# Allegro board LAY-29615_B4.brd (continued)
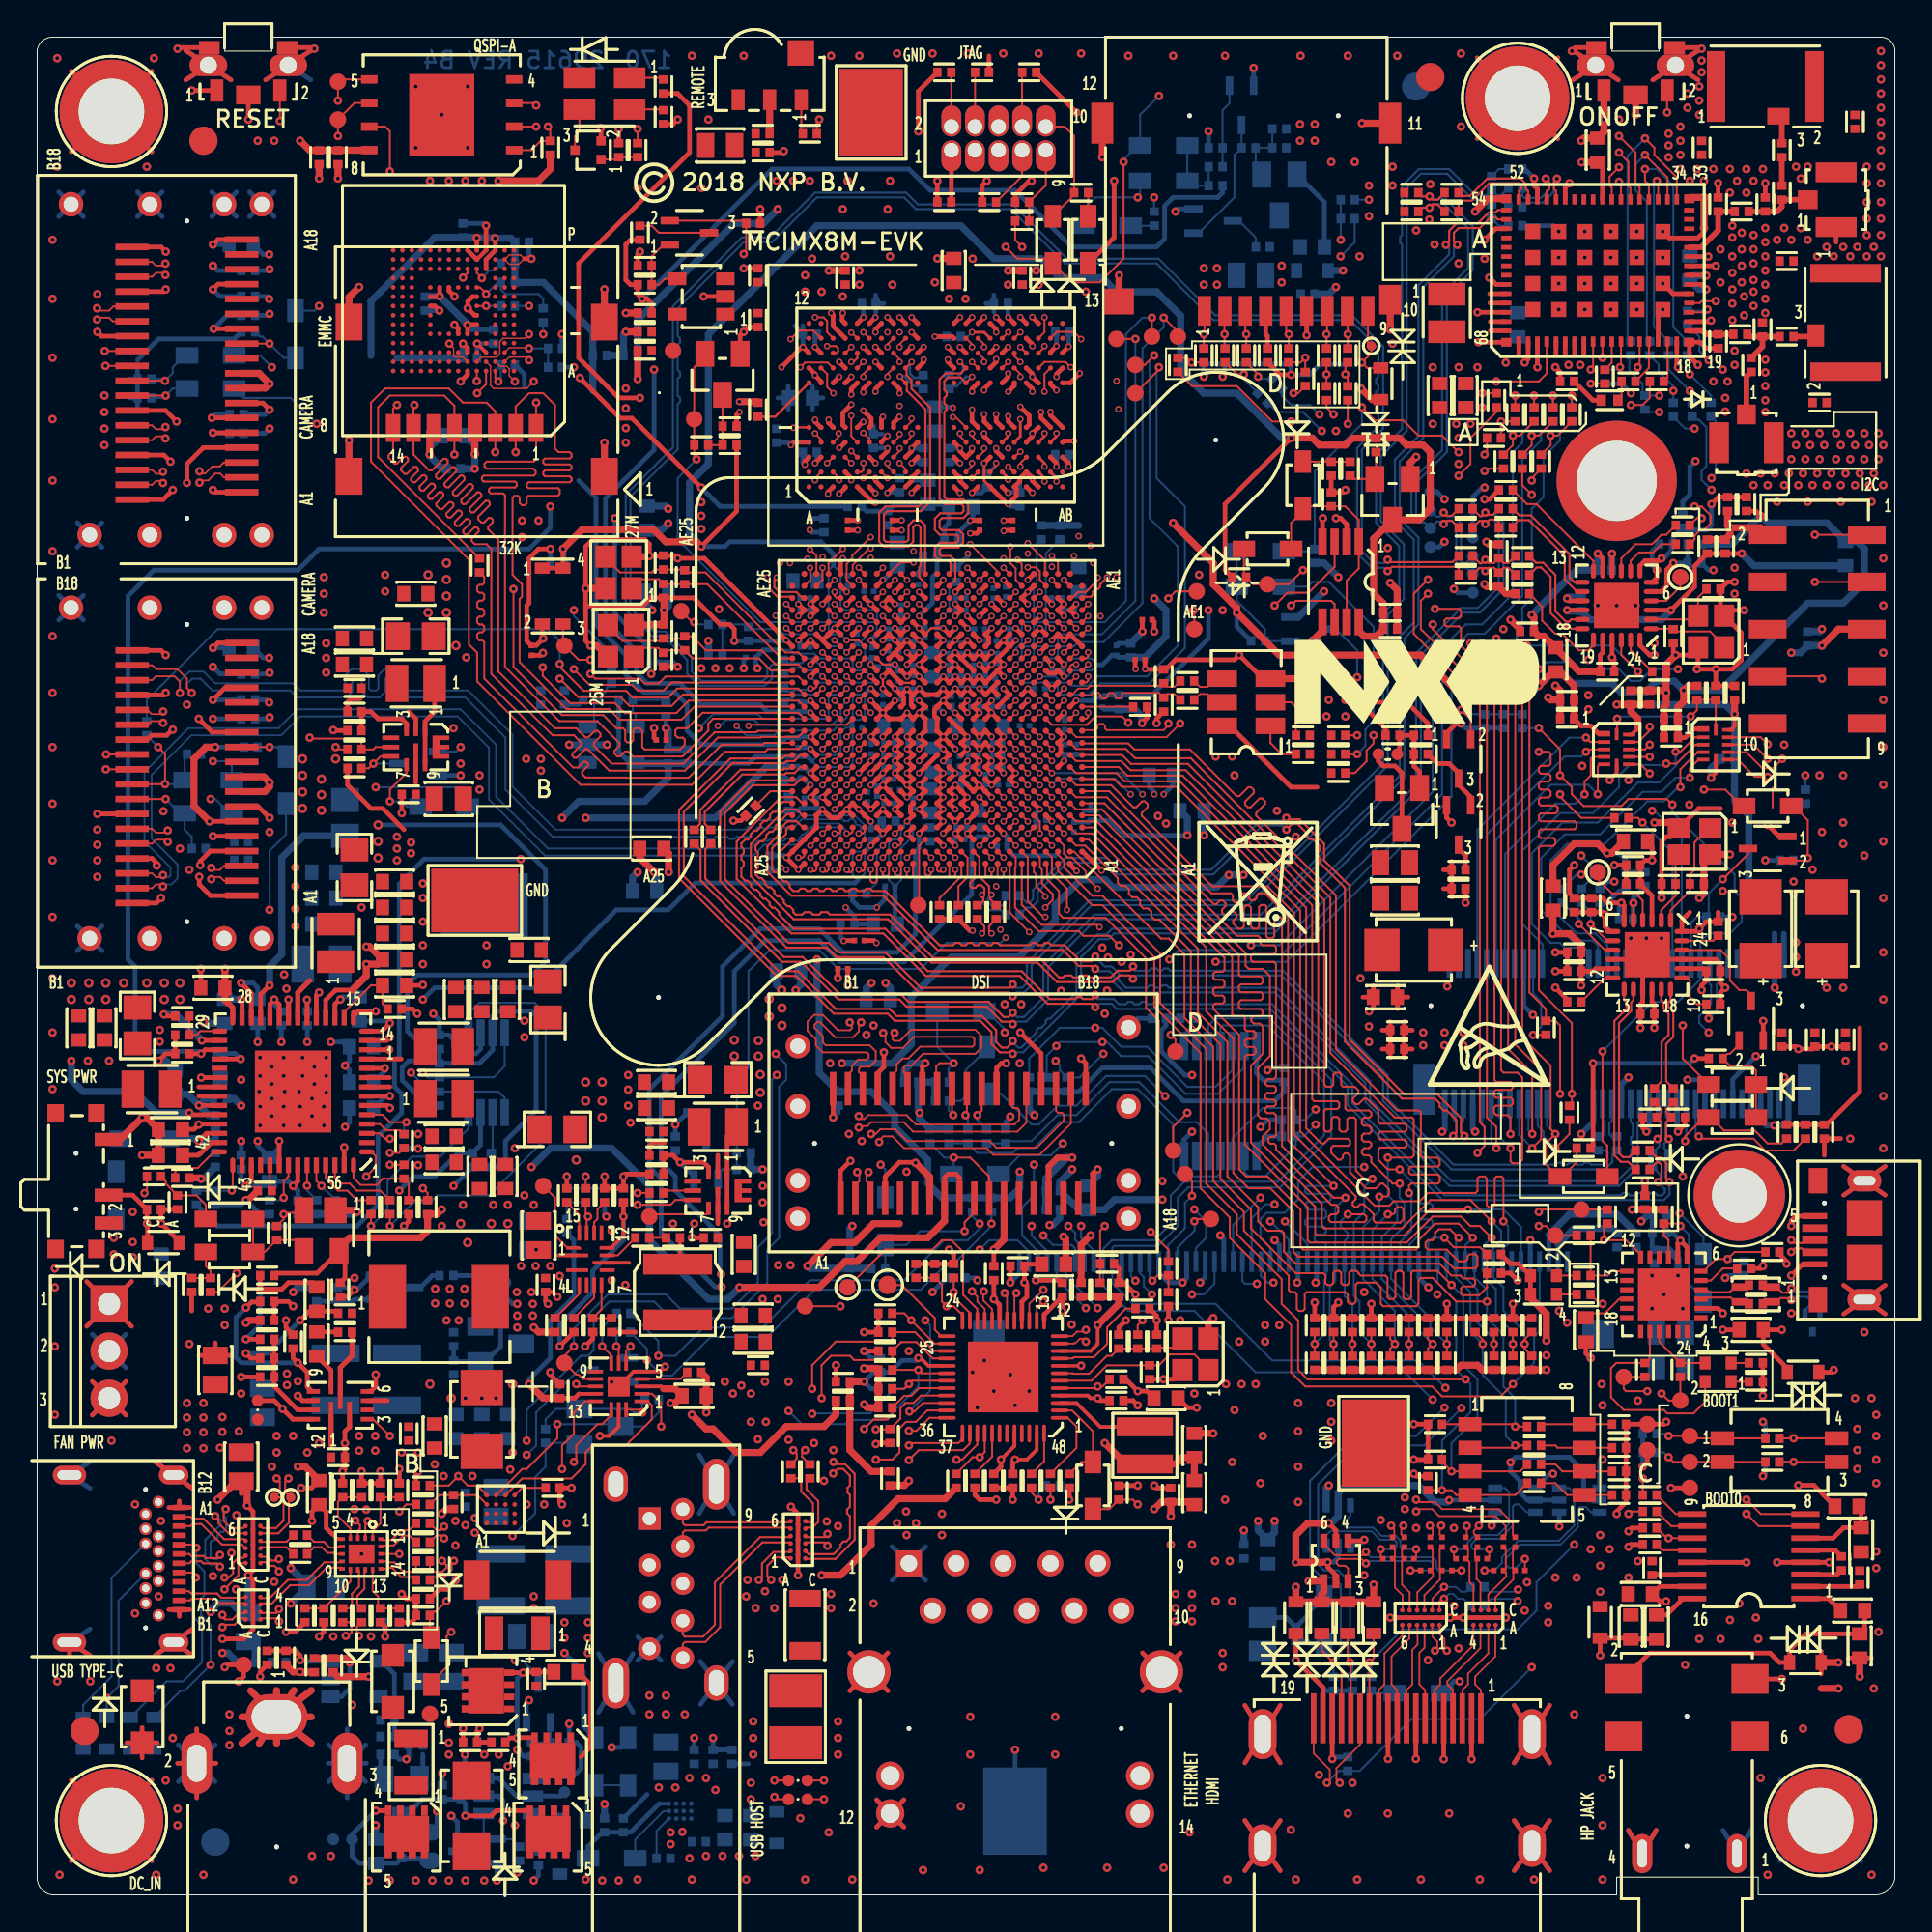
[diagram p0: board, top side]
## Routing (per net, layer and track width the routed paths; a pad name or vN(x,y) marks a point on that pad's centre or on a via; arc(x,y) is an arc through that point) (continued)
ENET_TD1: length 73
  TOP w0.107: U1201.37 49.81,24.53 49.59,24.32 47.05,24.32 v1(46.93,24.19) ; U101.R21 v2(43.57,64.93)
  L6_INT_2 w0.076: v1(46.93,24.19) 46.16,24.19 46.04,24.32 46.04,24.7 46.16,24.82 46.29,24.82 46.42,24.95 46.42,25.2 46.29,25.33 46.16,25.33 46.04,25.46 46.04,25.71 46.16,25.84 46.29,25.84 46.42,25.97 46.42,26.22 46.29,26.35 46.16,26.35 46.04,26.47 46.04,26.99 45.86,27.16 43.7,27.16 43.5,27.36 43.5,27.54 44.02,28.06 44.02,28.24 43.84,28.42 43.66,28.42 43.14,27.9 42.96,27.9 41.59,29.27 38.13,29.27 32.07,35.33 32.07,36.64 31.43,37.27 31.43,37.45 31.63,37.66 31.63,37.84 31.45,38.01 31.27,38.01 31.07,37.81 30.89,37.81 30.67,38.04 30.29,38.04 30.03,38.29 30.03,39.31 29.27,40.07 28.64,40.07 25.97,42.73 25.97,45.02 26.1,45.15 27.11,45.15 27.24,45.27 27.24,54.42 v1(35.62,62.8)
  BOTTOM w0.102: v2(43.57,64.93) U101.R21 42.76,64.61 42.6,64.45 42.6,63.43 42.48,63.31 39.05,63.31 38.8,63.56
  BOTTOM w0.107: 38.8,63.56 36.38,63.56 v1(35.62,62.8)
ENET_TD2: length 72
  TOP w0.107: U1201.38 50.21,24.3 49.85,23.94 47.46,23.94 v1(46.93,23.41) ; U101.R19 v2(44.23,64.28)
  L6_INT_2 w0.076: v1(46.93,23.41) 47.81,24.29 47.81,26.48 47.43,26.86 46.67,26.86 44.72,28.82 43.45,28.82 42.61,29.65 38.28,29.65 32.45,35.49 32.45,36.64 32.83,37.02 32.83,38.54 31.81,39.56 30.29,39.56 29.4,40.45 28.89,40.45 26.35,42.99 26.35,44.64 26.48,44.77 27.49,44.77 27.62,44.89 27.62,54.16 36.13,62.67 36.13,63.05 36.4,63.32 37.03,63.32 37.4,63.69 40.96,63.69 41.23,63.96 43.9,63.96 v2(44.23,64.28)
ENET_TD3: length 74.2
  TOP w0.107: U101.P20 v2(43.58,63.63) ; U1201.39 50.61,24.24 49.8,23.43 v1(49.49,23.43)
  L6_INT_2 w0.076: v1(49.49,23.43) 49.49,28.1 47.48,30.11 46.72,30.11 45.66,31.18 44,31.18 43.62,30.8 38.67,30.8 37.38,32.09 37.38,33.46 36.74,34.1 35.37,34.1 33.72,35.75 33.72,36.26 34.13,36.67 34.13,37.65 34.2,37.72 34.66,37.72 34.73,37.8 34.73,38.03 34.66,38.1 34.2,38.1 34.13,38.18 34.13,38.41 34.2,38.48 34.66,38.48 34.73,38.56 34.73,38.79 34.66,38.87 34.2,38.87 34.13,38.94 34.13,39.99 34.05,40.07 33.77,40.07 33.69,39.99 33.69,39.81 33.57,39.69 33.31,39.69 33.18,39.81 33.18,40.58 33.06,40.7 30.8,40.7 28.76,42.73 28.76,44.21 28.89,44.34 29.78,44.34 29.91,44.46 29.91,44.72 29.78,44.84 28.89,44.84 28.76,44.97 28.76,45.22 28.89,45.35 29.02,45.35 29.15,45.48 29.15,45.73 29.02,45.86 28.89,45.86 28.76,45.99 28.76,53.66 37.65,62.55 v2(37.65,62.93)
  BOTTOM w0.102: v2(43.58,63.63) 43.58,63.39 42.86,62.67 39.94,62.67
  BOTTOM w0.107: 39.94,62.67 39.69,62.42 38.16,62.42 v2(37.65,62.93)
ENET_TX_CTL: length 74
  TOP w0.107: v1(46.95,26.02) 47.23,26.02 47.68,26.48 U1201.34 ; U101.P19 v2(44.88,63.63)
  L6_INT_2 w0.076: v1(47.81,30.92) 46.54,32.19 42.86,32.19 42.23,31.56 38.92,31.56 38.59,31.89 38.59,33.13 35.88,35.85 35.88,37.72 35.8,37.8 35.57,37.8 35.5,37.88 35.5,38.03 35.57,38.1 35.8,38.1 35.88,38.18 35.88,38.33 35.8,38.41 35.57,38.41 35.5,38.48 35.5,38.64 35.57,38.71 35.8,38.71 35.88,38.79 35.88,39.31 33.16,42.02 31.64,42.02 31.3,42.35 31.3,44.77 29.53,46.54 29.53,51.34 29.65,51.47 30.16,51.47 30.29,51.6 30.29,51.85 30.16,51.98 29.65,51.98 29.53,52.11 29.53,52.36 29.65,52.49 30.8,52.49 30.92,52.61 30.92,52.87 30.8,53 29.65,53 29.53,53.12 29.53,53.4 30.44,54.32 30.62,54.32 31.78,53.17 31.96,53.17 32.14,53.34 32.14,53.52 31.94,53.72 31.94,53.9 32.23,54.2 32.23,54.38 32.06,54.56 31.88,54.56 31.58,54.26 31.4,54.26 30.98,54.68 30.98,54.86 31.16,55.04 31.34,55.04 31.48,54.9 31.66,54.9 31.84,55.08 31.84,55.26 31.7,55.4 31.7,55.58 39.05,62.93 40.7,62.93 40.86,63.09 44.33,63.09 v2(44.88,63.63)
  BOTTOM w0.107: v1(46.95,26.02) 48.07,27.14 48.07,30.67 v1(47.81,30.92)
ENET_TXC: length 71.5
  TOP w0.107: U101.T19 v2(44.23,64.93) ; v1(45.15,23.43) 46.04,23.43 46.42,23.81 46.42,25.11 46.77,25.46 47.31,25.46 47.92,26.08 U1201.35
  L6_INT_2 w0.076: v1(45.15,23.43) 45.66,23.94 45.66,25.97 44.77,26.86 43.5,26.86 41.49,28.87 38.04,28.87 31.42,35.48 31.42,35.94 31.1,36.26 31.1,36.84 30.29,37.65 29.91,37.65 29.02,38.54 29.02,38.8 28.45,39.37 28.45,39.75 25.59,42.61 25.59,45.4 25.84,45.66 26.71,45.66 26.83,45.78 26.83,54.65 35.88,63.69 36.77,63.69 37.15,64.07 40.83,64.07 41.37,64.61 43.9,64.61 v2(44.23,64.93)
ENET_VDDH_2V5: length 18.9
  TOP w0.203: v1(57.09,30.67) 57.09,29.65 56.71,29.28 U1201.10
  TOP w0.254: v1(55.56,21.27) R1224.1
  TOP w0.381: v1(57.09,30.67) 58.23,31.81 C1205.1 R1215.2 R1222.2
  L6_INT_2 w0.381: v1(55.56,21.27) 55.56,26.99 57.09,28.51 v1(57.09,30.67)
  BOTTOM w0.254: v1(55.56,21.27) 55.56,21.52 R1204.1
ENET_VDDIO_2V5: length 32.6
  TOP w0.203: U1201.29 47.98,28.48 47.56,28.89 v1(47.43,28.89)
  TOP w0.381: v1(44.51,27.62) C1203.1 R1201.1 43.74,23.95 44.9,22.79 R1227.1 ; v1(56.7,35.5) 56.2,34.99 R1222.1
  L8_INT_3 w0.381: v1(44.51,27.62) 44.64,27.62 45.15,28.13 45.15,30.29 49.01,34.15 55.36,34.15 v1(56.7,35.5)
  BOTTOM w0.254: v1(47.43,28.89) 47.31,28.76 46.54,28.76 45.92,28.14 C1202.1 45.03,28.14 v1(44.51,27.62) 44.89,27.24 R1212.2
ENET_WOL: length 71.2
  TOP w0.107: U101.M7 v2(52.67,62.33) ; U1201.40 51.01,23.83 v1(50.74,23.56) 50.36,23.56 R1206.2
  L8_INT_3 w0.076: v2(52.67,62.33) 53.22,62.88 55.73,62.88 56.32,62.29 58.1,62.29 58.94,61.45 62.5,61.45 68.39,55.56 68.39,34.23 67.37,33.21 67.37,30.42 66.23,29.27 64.45,29.27 62.29,31.43 57.97,31.43 57.67,31.13 55.51,31.13 54.67,30.29 54.67,26.99 51.24,23.56 v1(50.74,23.56)
ENET_XTLI: length 7.4
  TOP w0.107: Y1201.3 61.16,29.46 60.31,29.46 C1221.1 R1225.2 R1226.1 57.84,29.02 57.59,29.02 56.62,28.05 55.77,28.05 55.74,28.08 U1201.7
ENET_XTLO: length 9
  TOP w0.107: U1201.6 56.76,27.68 57.59,28.5 C1220.1 60.38,28.5 60.97,29.1 62.29,29.1 63.04,28.34 Y1201.1
ETH_TRX0_N: length 18.7
  TOP w0.097: U1201.12 55.73,30.08 55.97,30.32 56.36,30.32 v1(56.45,30.42)
  L8_INT_3 w0.076: v1(56.45,30.42) 56.62,30.24 57,30.24 57.47,29.78 57.47,28.61 56.62,27.75 56.62,26.47 58.74,24.35 58.74,16.95 58.36,16.57 58.36,15.3
ETH_TRX0_P: length 18.7
  TOP w0.097: v1(56.45,29.78) 56.29,29.94 56.13,29.94 55.89,29.69 55.81,29.69 55.79,29.68 U1201.11
  L8_INT_3 w0.076: v1(56.45,29.78) 56.62,29.95 56.88,29.95 57.17,29.66 57.17,28.73 56.32,27.88 56.32,26.35 58.44,24.23 58.44,17.08 58.07,16.7 57.47,16.7 57.09,17.08 57.09,17.84
ETH_TRX1_N: length 24.3
  TOP w0.097: v1(54.16,32.57) 53.41,31.82 U1201.15
  L8_INT_3 w0.076: 55.82,15.3 55.18,15.94 54.01,15.94 53.11,16.83 53.11,18.48 49.94,21.66 49.94,24.79 53.11,27.96 53.11,31.83 53.64,32.36 53.95,32.36 v1(54.16,32.57)
ETH_TRX1_P: length 24.3
  TOP w0.097: v1(54.16,31.94) 54.13,31.94 53.81,31.62 U1201.14
  L8_INT_3 w0.076: 54.55,17.84 55.31,17.84 55.54,17.61 55.54,16.42 55.35,16.23 54.13,16.23 53.4,16.95 53.4,18.6 50.23,21.78 50.23,24.67 53.4,27.84 53.4,31.71 53.76,32.07 54.04,32.07 v1(54.16,31.94)
ETH_TRX2_N: length 22.8
  TOP w0.097: U1201.18 52.21,32.27 v1(52.08,32.4)
  L8_INT_3 w0.076: v1(52.08,32.4) 52.25,32.23 52.25,29.17 48.67,25.58 48.67,21.44 50.57,19.53 50.57,16.83 51.34,16.06 52.51,16.06 J1201.6
ETH_TRX2_P: length 22.8
  TOP w0.097: U1201.17 52.61,32.29 v1(52.71,32.4)
  L8_INT_3 w0.076: v1(52.71,32.4) 52.54,32.23 52.54,29.04 48.96,25.46 48.96,21.56 50.86,19.65 50.86,16.95 51.46,16.36 52.3,16.36 52.57,16.63 52.57,17.28 J1201.5
ETH_TRX3_N: length 22
  TOP w0.097: v1(50.32,32.49) 50.61,32.2 50.61,31.94 51.01,31.54 U1201.21
  L8_INT_3 w0.076: v1(50.32,32.49) 50.49,32.32 50.49,30.05 47.92,27.47 47.92,16.95 48.71,16.15 49.89,16.15 J1201.4
ETH_TRX3_P: length 21.9
  TOP w0.097: U1201.20 51.41,31.52 50.93,32 50.93,32.46 v1(50.96,32.49)
  L8_INT_3 w0.076: J1201.3 50.1,17.21 50.1,16.8 49.75,16.45 48.83,16.45 48.21,17.07 48.21,27.35 50.79,29.93 50.79,32.32 v1(50.96,32.49)
FRS_EN: length 11.3
  TOP w0.107: U907.1 32.87,26.57 33.08,26.35 33.08,25.59 31.69,24.19 29.91,24.19 29.53,23.81 29.53,23.18 28.76,22.41 26.11,22.41 U906.C4
HDMI_AUXN: length 76.3
  TOP w0.102: U101.V2 v2(55.92,66.88)
  L8_INT_3 w0.076: v2(55.92,66.88) 56.12,66.88 56.44,66.56 58.31,66.56 58.95,67.21 66.78,67.21 67.25,66.74 71.56,66.74 74.74,63.56 74.74,62.17 77.41,59.5 77.41,56.96 80.33,54.04 80.33,48.2 81.18,47.35 81.18,45.15 82.47,43.86 83.59,42.74 83.59,32.95 82.83,32.19 82.83,21.9 80.92,20 80.92,16.69 80.48,16.26 79.89,16.26 v1(79.71,16.43)
  BOTTOM w0.097: v1(79.71,16.43) 79.59,16.31 78.17,16.31 C1012.1
HDMI_AUXN_C: length 3.2
  TOP w0.097: v1(75.73,16.57) 75.1,15.94 75.1,15.34 U1001.C2
  BOTTOM w0.097: C1012.2 76.9,16.32 76.64,16.32 76.39,16.57 v1(75.73,16.57)
HDMI_AUXP: length 76.8
  TOP w0.102: v2(56.57,66.88) 56.57,66.66 56.47,66.56 U101.V1
  L8_INT_3 w0.076: v2(56.57,66.88) 56.61,66.85 56.87,66.85 57,66.99 57.18,66.99 57.31,66.85 57.49,66.85 57.63,66.99 57.79,66.99 57.93,66.85 58.19,66.85 58.83,67.5 66.9,67.5 67.37,67.03 71.69,67.03 75.03,63.68 75.03,62.29 77.7,59.62 77.7,57.08 80.62,54.16 80.62,48.32 81.47,47.47 81.47,45.27 83.88,42.86 83.88,32.83 83.12,32.07 83.12,21.78 81.22,19.87 81.22,16.57 80.61,15.96 79.84,15.96 v1(79.69,15.81)
  BOTTOM w0.097: v1(79.69,15.81) 79.57,15.93 78.28,15.93 C1011.1
HDMI_AUXP_C: length 2.6
  TOP w0.097: U1001.C1 75.48,15.79 75.64,15.94 v1(75.73,15.94)
  BOTTOM w0.097: C1011.2 76.78,15.94 76.49,15.94 76.23,16.19 75.99,16.19 v1(75.73,15.94)
HDMI_CEC: length 94.5
  TOP w0.107: TVS1005.2 71.94,12.74 v1(71.71,12.51) J1001.13 ; U101.W3 v2(54.62,66.88)
  L8_INT_3 w0.076: v1(82.74,18.86) 84.77,20.89 84.77,30.03 85.15,30.42 85.15,35.75 84.64,36.26 84.64,43.24 82.74,45.15 82.74,48.32 82.36,48.7 82.36,51.62 81.65,52.34 81.65,54.49 78.8,57.34 78.8,59.63 75.88,62.55 75.88,63.94 71.93,67.89 69.52,67.89 69.02,68.39 61.15,68.39 60.72,68.82 59.17,68.82 57.85,67.5 55.74,67.5 55.45,67.21 U101.W3 v2(54.62,66.88)
  BOTTOM w0.107: v1(82.74,18.86) 80.71,16.83 80.71,15.3 79.69,14.29 73.49,14.29 v1(71.71,12.51) 71.82,12.41 R1007.2
HDMI_CLKN: length 75.2
  TOP w0.097: v1(61.53,63.05) 60.79,62.32 55.94,62.32 U101.M2 ; C1006.1 73.05,19.34 73.05,19.71 v1(72.88,19.87)
  L8_INT_3 w0.076: v1(61.53,63.05) 61.53,63.28 61.65,63.4 62.04,63.4 62.68,62.76 66.4,62.76 71.65,57.51 71.65,53.79 72.09,53.36 73.2,53.36 73.3,53.26 73.3,53.05 73.2,52.95 72.43,52.95 72.16,52.68 72.16,52.23 72.43,51.96 73.2,51.96 73.3,51.86 73.3,51.66 73.2,51.55 72.43,51.55 72.16,51.28 72.16,50.84 72.43,50.56 73.2,50.56 73.3,50.46 73.3,50.26 73.2,50.16 72.43,50.16 72.16,49.88 72.16,49.44 72.43,49.17 72.85,49.17 72.92,49.09 72.92,48.84 72.85,48.76 72.56,48.76 72.29,48.49 72.29,43.87 71.78,43.36 71.78,39.47 72.33,38.92 72.33,38.13 73.18,37.28 73.18,36.38 72.29,35.49 72.29,29.28 73.07,28.5 73.07,28.11 72.97,28.01 72.22,28.01 71.94,27.74 71.94,27.04 72.22,26.76 73.2,26.76 73.3,26.66 73.3,26.46 73.2,26.36 72.22,26.36 71.94,26.08 71.94,25.64 72.22,25.37 72.95,25.37 73.05,25.26 73.05,25.06 72.95,24.96 72.22,24.96 71.94,24.69 71.94,24.24 72.22,23.97 72.95,23.97 73.05,23.87 73.05,23.66 72.95,23.56 72.22,23.56 71.94,23.29 71.94,22.85 72.22,22.57 72.95,22.57 73.05,22.47 73.05,22.27 72.95,22.17 72.22,22.17 71.94,21.89 71.94,21.02 72.33,20.64 72.67,20.64 73.07,20.24 73.07,20.06 v1(72.88,19.87)
HDMI_CLKN_C: length 3.7
  TOP w0.097: C1006.2 73.09,18.59 73.09,18.21 R1014.1 73.09,17.98 73.09,16.54 73.5,16.13 73.5,15.34 U1001.C6
HDMI_CLKN_CN: length 5.5
  TOP w0.097: J1001.12 72.21,11.02 72.52,11.33 72.52,12.99 73.48,13.95 U1001.A6
HDMI_CLKP: length 75.3
  TOP w0.097: v1(60.9,63.05) 60.9,62.96 60.63,62.7 57.58,62.7 57.48,62.8 57.48,62.93 57.38,63.03 57.18,63.03 57.07,62.93 57.07,62.8 56.97,62.7 56.29,62.7 U101.M1 ; v1(73.55,19.87) 73.43,19.76 73.43,19.42 C1005.1
  L8_INT_3 w0.076: v1(73.55,19.87) 73.36,20.06 73.36,20.36 72.8,20.93 72.45,20.93 72.24,21.14 72.24,21.77 72.34,21.87 73.07,21.87 73.34,22.15 73.34,22.59 73.07,22.86 72.34,22.86 72.24,22.97 72.24,23.17 72.34,23.27 73.07,23.27 73.34,23.54 73.34,23.99 73.07,24.26 72.34,24.26 72.24,24.36 72.24,24.57 72.34,24.67 73.07,24.67 73.34,24.94 73.34,25.39 73.07,25.66 72.34,25.66 72.24,25.76 72.24,25.96 72.34,26.06 73.32,26.06 73.6,26.34 73.6,26.78 73.32,27.06 72.34,27.06 72.24,27.16 72.24,27.62 72.34,27.72 73.09,27.72 73.36,27.99 73.36,28.62 72.58,29.4 72.58,35.37 73.47,36.26 73.47,37.4 72.62,38.25 72.62,39.05 72.07,39.59 72.07,43.24 72.58,43.75 72.58,48.37 72.68,48.47 72.97,48.47 73.21,48.71 73.21,49.21 72.97,49.46 72.55,49.46 72.45,49.56 72.45,49.76 72.55,49.86 73.32,49.86 73.6,50.14 73.6,50.58 73.32,50.86 72.55,50.86 72.45,50.96 72.45,51.16 72.55,51.26 73.32,51.26 73.6,51.53 73.6,51.98 73.32,52.25 72.55,52.25 72.45,52.35 72.45,52.56 72.55,52.66 73.32,52.66 73.6,52.93 73.6,53.38 73.32,53.65 72.21,53.65 71.94,53.91 71.94,57.63 66.52,63.05 62.8,63.05 62.17,63.69 61.53,63.69 v1(60.9,63.05)
HDMI_CLKP_C: length 3.7
  TOP w0.097: U1001.C5 73.89,16.28 73.47,16.7 73.47,17.98 R1015.1 73.47,18.21 73.47,18.59 C1005.2
HDMI_CLKP_CN: length 5.6
  TOP w0.097: J1001.10 73.21,11.02 72.91,11.33 72.91,12.83 73.87,13.79 73.87,14.5 U1001.A5
HDMI_DDC_SCL: length 85.7
  TOP w0.107: TVS1004.2 70.55,12.64 v1(70.67,12.51) 70.67,12.38 70.71,12.34 J1001.15 ; v2(55.27,64.93) U101.R3
  L8_INT_3 w0.076: v1(76.67,26.2) 78.93,28.46 78.93,34.35 79.82,35.24 79.82,37.65 78.04,39.43 78.04,40.58 78.23,40.77 78.23,53.09 74.87,56.45 74.87,58.36 72.83,60.39 72.83,62.67 72.25,63.26 71.36,63.26 70.75,63.87 69.35,63.87 68.77,64.45 67.75,64.45 67.37,64.83 63.82,64.83 63.31,65.34 60.64,65.34 60.26,64.96 55.3,64.96 v2(55.27,64.93)
  BOTTOM w0.107: R1009.2 70.8,12.38 v1(70.67,12.51) 70.67,16.83 70.04,17.46 69.28,17.46 68.96,17.78 68.96,22.1 71.06,24.19 74.66,24.19 v1(76.67,26.2)
HDMI_DDC_SDA: length 86.3
  TOP w0.107: J1001.16 70.21,12.08 v1(69.79,12.51) 69.15,13.14 TVS1003.2 ; U101.P3 v2(55.27,64.28)
  L8_INT_3 w0.076: v1(75.75,26.22) 76.39,26.86 76.39,27.88 77.28,28.76 77.28,29.91 78.51,31.14 78.51,34.39 79.44,35.33 79.44,37.27 77.05,39.66 77.05,40.09 77.86,40.91 77.86,51.75 76.39,53.23 76.39,54.29 74.48,56.2 74.48,58.23 72.45,60.26 72.45,62.55 72.07,62.93 69.28,62.93 68.95,63.26 68.95,63.77 68.64,64.07 67.63,64.07 67.25,64.45 63.69,64.45 63.13,65.01 60.95,65.01 60.59,64.66 55.65,64.66 v2(55.27,64.28)
  BOTTOM w0.107: R1004.2 v1(69.79,12.51) 70.17,12.89 70.17,16.7 69.79,17.08 69.15,17.08 68.52,17.72 68.52,22.29 70.93,24.7 74.23,24.7 v1(75.75,26.22)
HDMI_HPD: length 109.3
  TOP w0.097: U1001.A2 75.1,14.5 75.1,13.89 75.37,13.62 75.37,13.27 v1(75.25,13.14) ; J1001.19 68.71,7.61 69.58,6.74 69.58,6.18 v1(69.43,6.03)
  TOP w0.107: U101.W2 v2(55.27,66.88)
  L8_INT_3 w0.076: v1(80.45,12.25) 82.23,14.03 82.23,19.11 83.76,20.64 83.76,27.88 84.26,28.38 84.26,30.29 84.77,30.8 84.77,35.5 84.26,36 84.26,43.12 82.1,45.27 82.1,47.69 81.14,48.65 81.14,54.5 78.29,57.34 78.29,59.63 75.5,62.42 75.5,63.82 71.82,67.5 69.4,67.5 68.9,68.01 61.02,68.01 60.59,68.44 59.3,68.44 58.1,67.25 55.82,67.25 55.45,66.88 v2(55.27,66.88) ; v1(69.43,6.03) 69.64,6.24 69.64,6.55 75.59,12.5 75.59,12.8 v1(75.25,13.14)
  BOTTOM w0.107: v1(69.43,6.03) 70.07,6.67 R1002.1 71.19,6.67 73.98,9.46 77.66,9.46 v1(80.45,12.25)
HDMI_REFCLKN: length 6.5
  TOP w0.097: U101.R1 56.3,64.56 56.72,64.56 56.86,64.71 57.14,64.71 57.24,64.61 57.24,64.5 57.33,64.4 57.53,64.4 57.62,64.5 57.62,64.61 57.72,64.71 57.91,64.71 58.01,64.61 58.01,64.5 58.11,64.4 58.3,64.4 58.39,64.5 58.39,64.61 58.49,64.71 60.38,64.71 R512.1 60.84,64.64 61.22,64.64 R511.2
HDMI_REFCLKP: length 6.4
  TOP w0.097: U101.R2 55.71,64.61 56.04,64.94 56.56,64.94 56.7,65.09 60.51,65.09 R513.1 60.84,65.02 61.22,65.02 R510.2
HDMI_TXN0: length 75.9
  TOP w0.097: v1(74.97,19.87) 75.12,19.72 75.12,19.38 C1004.1
  TOP w0.102: U101.T2 v2(55.92,65.58)
  L8_INT_3 w0.076: v2(55.92,65.58) 56.12,65.58 56.44,65.26 59.93,65.26 60.35,65.68 63.6,65.68 64.02,65.26 67.45,65.26 67.88,64.83 71.31,64.83 73.21,62.93 73.21,61.24 75.34,59.12 75.34,56.74 78.76,53.31 78.76,44.14 79.74,43.16 79.74,38.62 81.3,37.06 81.3,34.86 80.29,33.84 80.29,30.42 80.52,30.19 80.52,27.94 78.49,25.91 77.81,25.91 77.53,25.64 77.53,25.19 77.81,24.92 78.28,24.92 78.38,24.82 78.38,24.62 78.28,24.51 77.81,24.51 77.53,24.24 77.53,23.8 77.81,23.52 78.28,23.52 78.38,23.42 78.38,20.9 78.28,20.8 77.91,20.8 77.81,20.9 77.81,21.98 77.53,22.26 77.09,22.26 76.82,21.98 76.82,20.9 76.71,20.8 75.51,20.8 75.07,20.36 75.07,19.98 v1(74.97,19.87)
HDMI_TXN0_C: length 3.9
  TOP w0.097: C1004.2 75.12,18.59 75.12,17.58 R1012.1 75.14,17.33 75.14,17.13 74.29,16.29 74.29,15.33 U1001.C4
HDMI_TXN0_CN: length 5.3
  TOP w0.097: J1001.9 73.72,11.02 74.02,11.33 74.02,13.19 74.3,13.47 74.3,14.5 U1001.A4
HDMI_TXN1: length 74
  TOP w0.097: v1(76.96,19.86) 76.96,19.86 76.96,19.31 C1010.1
  TOP w0.102: U101.U1 v2(56.57,66.23)
  L8_INT_3 w0.076: v2(56.57,66.23) 56.61,66.2 58.46,66.2 58.99,66.74 64.1,66.74 64.57,66.27 71.4,66.27 74.27,63.4 74.27,61.87 76.94,59.21 76.94,56.7 79.82,53.82 79.82,45.02 81.22,43.62 81.22,38.96 82.36,37.81 82.36,33.85 81.47,32.96 81.47,30.96 81.98,30.45 81.98,26.26 81.71,25.99 81.36,25.99 81.25,25.89 81.25,25.69 81.36,25.59 81.71,25.59 81.98,25.31 81.98,24.87 81.71,24.59 81.11,24.59 80.96,24.45 80.96,20.86 79.18,19.07 77.32,19.07 77.02,19.37 77.02,19.79 v1(76.96,19.86)
HDMI_TXN1_C: length 3.7
  TOP w0.097: U1002.C4 77.31,16.63 77.1,16.85 77.1,17.91 R1018.1 77.02,18.21 77.02,18.59 C1010.2
HDMI_TXN1_CN: length 5.9
  TOP w0.097: U1002.A4 77.31,13.44 75.52,11.65 75.52,11.33 75.21,11.02 J1001.6
HDMI_TXN2: length 74.4
  TOP w0.097: v1(74.23,20.64) 74.36,20.76 75.09,20.76 75.47,20.38 78.52,20.38 79.06,19.84 79.06,19.38 C1008.1
  TOP w0.102: U101.N1 56.47,63.31 56.57,63.41 v2(56.57,63.63)
  L8_INT_3 w0.076: v2(56.57,63.63) 56.57,63.55 56.69,63.44 56.95,63.44 57.05,63.54 57.28,63.54 57.38,63.44 57.82,63.44 58.23,63.86 60.77,63.86 61.24,64.32 62.58,64.32 63.12,63.79 66.8,63.79 72.75,57.84 72.75,54.63 72.94,54.44 73.96,54.44 74.48,53.91 74.48,51.75 74.59,51.65 75.48,51.65 75.75,51.37 75.75,50.93 75.48,50.66 74.59,50.66 74.48,50.55 74.48,50.35 74.59,50.25 75.48,50.25 75.75,49.98 75.75,49.53 75.48,49.26 74.59,49.26 73.85,48.52 73.85,43.34 73.38,42.87 73.38,40.28 74.74,38.92 74.74,36.39 74.1,35.75 74.1,34.14 73.86,33.89 73.46,33.89 73.38,33.81 73.38,33.59 73.46,33.51 73.86,33.51 74.1,33.26 74.1,32.79 73.86,32.54 73.46,32.54 73.38,32.47 73.38,32.24 73.46,32.16 73.86,32.16 74.1,31.92 74.1,30.54 74.61,30.03 74.61,26.35 75.12,25.84 75.12,24.98 75.22,24.88 75.74,24.88 76.01,24.6 76.01,24.16 75.74,23.89 75.22,23.89 75.12,23.78 75.12,21.27 74.83,20.98 74.57,20.98 v1(74.23,20.64)
HDMI_TXN2_C: length 4
  TOP w0.097: U1002.C2 78.11,16.17 79.08,17.14 79.08,17.32 R1016.1 79.06,17.58 79.06,18.59 C1008.2
HDMI_TXN2_CN: length 5.6
  TOP w0.097: J1001.3 76.72,11.02 77.02,11.33 77.02,11.9 78.11,12.99 U1002.A2
HDMI_TXP0: length 75.9
  TOP w0.097: v1(75.58,19.87) 75.5,19.8 75.5,19.38 C1003.1
  TOP w0.102: v2(56.57,65.58) 56.57,65.36 56.47,65.26 U101.T1
  L8_INT_3 w0.076: v1(75.58,19.87) 75.36,20.09 75.36,20.24 75.63,20.51 76.84,20.51 77.11,20.78 77.11,21.86 77.21,21.96 77.41,21.96 77.51,21.86 77.51,20.78 77.79,20.51 78.4,20.51 78.68,20.78 78.68,23.54 78.4,23.82 77.93,23.82 77.83,23.92 77.83,24.12 77.93,24.22 78.4,24.22 78.68,24.49 78.68,24.94 78.4,25.21 77.93,25.21 77.83,25.31 77.83,25.52 77.93,25.62 78.61,25.62 80.81,27.82 80.81,30.31 80.58,30.54 80.58,33.72 81.6,34.73 81.6,37.18 80.03,38.74 80.03,43.28 79.06,44.26 79.06,53.44 75.63,56.86 75.63,59.24 73.51,61.37 73.51,63.05 71.43,65.13 68,65.13 67.57,65.55 64.15,65.55 63.72,65.98 60.23,65.98 59.81,65.55 58.4,65.55 58.3,65.65 58.08,65.65 57.99,65.55 57.84,65.55 57.76,65.63 57.46,65.63 57.38,65.55 56.61,65.55 v2(56.57,65.58)
HDMI_TXP0_C: length 3.9
  TOP w0.097: C1003.2 75.5,18.59 75.5,17.58 R1013.1 75.52,17.37 75.52,16.97 74.68,16.13 74.68,15.33 U1001.C3
HDMI_TXP0_CN: length 5.3
  TOP w0.097: U1001.A3 74.68,13.31 74.41,13.03 74.41,11.33 74.72,11.02 J1001.7
HDMI_TXP1: length 74
  TOP w0.097: v1(77.61,19.87) 77.34,19.6 77.34,19.45 C1009.1
  TOP w0.102: U101.U2 55.6,66.13 55.7,66.23 v2(55.92,66.23)
  L8_INT_3 w0.076: v2(55.92,66.23) 56.12,66.23 56.44,65.91 58.58,65.91 59.11,66.45 63.98,66.45 64.45,65.98 69.66,65.98 69.76,65.87 69.94,65.87 70.04,65.98 71.28,65.98 73.98,63.28 73.98,61.75 76.64,59.09 76.64,56.58 79.53,53.7 79.53,44.9 80.92,43.5 80.92,38.84 82.07,37.69 82.07,33.97 81.18,33.08 81.18,30.84 81.69,30.33 81.69,26.39 81.58,26.28 81.23,26.28 80.96,26.01 80.96,25.57 81.23,25.29 81.58,25.29 81.69,25.19 81.69,24.99 81.58,24.89 80.99,24.89 80.67,24.57 80.67,20.98 80.45,20.76 80.31,20.76 80.18,20.63 80.18,20.49 79.69,20 79.57,20 79.44,19.87 79.44,19.75 79.06,19.37 77.44,19.37 77.32,19.49 77.32,19.61 77.58,19.87 v1(77.61,19.87)
HDMI_TXP1_C: length 3.6
  TOP w0.097: U1002.C3 77.7,15.34 77.7,16.79 77.48,17 77.48,18.06 R1019.1 77.41,18.21 77.41,18.59 C1009.2
HDMI_TXP1_CN: length 5.9
  TOP w0.097: J1001.4 76.21,11.03 75.91,11.34 75.91,11.49 77.7,13.28 77.7,14.5 U1002.A3
HDMI_TXP2: length 74.4
  TOP w0.097: C1007.1 79.44,19.38 79.44,20 78.68,20.76 75.63,20.76 75.25,21.14 74.36,21.14 v1(74.23,21.27)
  TOP w0.102: U101.N2 v2(55.92,63.63)
  L8_INT_3 w0.076: v2(55.92,63.63) 56.08,63.63 56.57,63.14 57.94,63.14 58.36,63.56 60.9,63.56 61.37,64.03 62.46,64.03 63,63.49 66.68,63.49 72.45,57.72 72.45,54.51 72.82,54.15 73.83,54.15 74.19,53.79 74.19,51.63 74.47,51.35 75.36,51.35 75.46,51.25 75.46,51.05 75.36,50.95 74.47,50.95 74.19,50.68 74.19,50.23 74.47,49.96 75.36,49.96 75.46,49.86 75.46,49.65 75.36,49.55 74.47,49.55 73.56,48.64 73.56,43.46 73.09,42.99 73.09,40.16 74.45,38.8 74.45,36.51 73.81,35.87 73.81,34.26 73.74,34.18 73.34,34.18 73.09,33.94 73.09,33.46 73.34,33.22 73.74,33.22 73.81,33.14 73.81,32.91 73.74,32.84 73.34,32.84 73.09,32.59 73.09,32.12 73.34,31.87 73.74,31.87 73.81,31.79 73.81,30.42 74.32,29.91 74.32,26.23 74.83,25.72 74.83,24.86 75.1,24.58 75.62,24.58 75.72,24.48 75.72,24.28 75.62,24.18 75.1,24.18 74.83,23.91 74.83,21.39 74.71,21.27 v1(74.23,21.27)
HDMI_TXP2_C: length 3.9
  TOP w0.097: C1007.2 79.44,18.59 79.44,17.58 R1017.1 79.46,17.37 79.46,16.98 78.49,16.01 78.49,15.34 U1002.C1
HDMI_TXP2_CN: length 5.6
  TOP w0.097: U1002.A1 78.49,14.5 78.49,12.84 77.41,11.75 77.41,11.33 77.72,11.02 J1001.1
HDMI_UTILITY/HEAC+_CN: length 15.3
  TOP w0.097: v1(75.88,13.14) 75.75,13.27 75.75,13.78 75.48,14.05 U1001.A1 ; J1001.14 71.21,8.1 69.94,6.82 69.94,6.21 v1(70.12,6.03)
  L8_INT_3 w0.076: v1(70.12,6.03) 69.93,6.22 69.93,6.43 75.88,12.38 v1(75.88,13.14)
I2C1_SCL: length 96.6
  TOP w0.107: v1(18.99,36) R721.2 ; v2(52.02,57.78) 52.03,57.78 U101.E7
  L6_INT_2 w0.076: v1(33.44,29.02) 33.44,29.17 32.19,30.42 27.24,30.42 26.86,30.03 20.64,30.03 18.99,31.69 v1(18.99,36)
  L8_INT_3 w0.076: v1(50.74,36.13) 51.24,35.62 52.51,35.62 53.78,36.89 54.29,36.89 56.32,38.92 56.32,41.39 56.78,41.85 56.78,45.71 56.2,46.29 56.2,48.96 55.43,49.72 55.43,52.39 55.03,52.79 55.03,53.99 54.34,54.67 54,54.67 52.35,56.33 52.35,57.46 v2(52.02,57.78)
  BOTTOM w0.107: R301.2 50.35,36.51 v1(50.74,36.13) 50.74,35.88 50.1,35.24 48.82,35.24 46.67,33.08 41.59,33.08 39.05,30.54 35.88,30.54 34.35,29.02 v1(33.44,29.02) 33.44,29.8 R940.2 ; U1502.1 23.22,47.45 23.78,48.02 26.78,48.02 27.37,47.43 27.37,40.7 24.32,37.65 21.53,37.65 21.14,37.27 20.26,37.27 v1(18.99,36)
I2C1_SDA: length 82
  TOP w0.107: v2(51.37,57.78) 51.38,57.78 U101.E8 ; v1(17.97,36) R719.2
  L6_INT_2 w0.076: v1(32.83,28.79) 32.83,29.27 32.14,29.96 27.42,29.96 26.99,29.53 20.38,29.53 18.35,31.56 18.35,35.62 v1(17.97,36)
  L8_INT_3 w0.076: v2(51.37,57.78) 51.7,57.46 51.7,56.64 52.97,55.37 52.97,55.23 53.91,54.29 54.24,54.29 54.67,53.86 54.67,52.64 54.99,52.32 54.99,49.59 55.69,48.89 55.69,40.32 54.93,39.56 54.93,38.67 52.39,36.13 v1(51.37,36.13)
  BOTTOM w0.107: R302.2 v1(51.37,36.13) 51.37,36 49.21,33.84 48.83,33.84 47.56,32.57 41.85,32.57 39.31,30.03 36.26,30.03 34.18,27.95 33.64,27.95 32.83,28.76 v1(32.83,28.79) 32.83,29.39 R941.2 ; U1502.8 23.22,41.25 21.7,39.74 20.18,39.74 18.86,38.42 18.86,36.89 v1(17.97,36)
I2C2_SCL: length 106.8
  TOP w0.107: J801.1 v1(95.69,73.21) ; v1(89.22,74.74) 89.6,74.74 90.08,74.26 90.08,73.82 89.72,73.47 89.52,73.47 89.22,73.16 89.22,72.97 R1326.1 ; U101.G7 v2(52.67,59.08)
  L6_INT_2 w0.076: v1(56.96,46.67) 57.21,46.93 57.72,46.93 58.99,48.2 64.33,48.2 66.69,50.56 72.66,50.56 78.04,55.94 v1(83.12,55.94) 84.09,54.98 87.24,54.98 92.14,59.88 92.14,66.23 91.38,66.99 v1(91.38,70.04)
  L8_INT_3 w0.076: v2(52.67,59.08) 53,58.76 53,56.22 54.16,55.05 54.42,55.05 55.94,53.53 55.94,49.72 56.5,49.16 56.5,47.13 v1(56.96,46.67) ; v1(95.69,73.21) 94.42,74.48 93.15,74.48 90.54,77.1 89.8,77.1 89.22,76.52 v1(89.22,74.74) 89.09,74.61 89.09,72.96 89.72,72.33 89.72,71 90.68,70.04 v1(91.38,70.04)
  BOTTOM w0.107: R303.2 53.4,45.02 55.05,46.67 v1(56.96,46.67) 57.34,46.67 58.36,45.66 59.75,45.66 61.91,43.5 63.44,43.5 64.32,44.39 64.32,45.68 U1501.12 ; v1(83.12,55.94) 83.63,55.43 83.63,54.67 83.12,54.16 R1452.1
I2C2_SDA: length 103.2
  TOP w0.107: v1(89.6,74.1) 89.34,74.1 R1327.1 ; J801.3 v1(95.69,70.67) ; U101.F7 v2(52.67,58.43)
  L6_INT_2 w0.076: v2(52.67,58.43) 52.35,58.11 52.35,55.35 52.64,55.05 52.64,51.37 53.4,50.61 53.4,47.15 v1(54.86,45.69) ; v1(91.38,71.44) 92.52,70.29 92.52,59.63 86.93,54.04 84.01,54.04 v1(83.12,54.93) 77.79,54.93 72.96,50.1 67.12,50.1 64.83,47.81 61.28,47.81 59.24,45.78 57.47,45.78 v1(57.34,45.91)
  L8_INT_3 w0.076: v1(91.38,71.44) 89.6,73.21 v1(89.6,74.1) 89.65,74.15 89.65,76.44 89.95,76.75 90.39,76.75 92.01,75.12 92.01,74.36 v1(95.69,70.67)
  BOTTOM w0.107: R304.2 54.34,44.08 54.34,45.17 v1(54.86,45.69) 55.08,45.91 v1(57.34,45.91) 57.59,45.91 58.36,45.15 59.8,45.15 61.84,43.12 63.56,43.12 64.96,44.51 64.96,45.66 U1501.13 ; v1(83.12,54.93) 82.87,54.93 R1453.1
I2C3_SCL: length 116.2
  TOP w0.107: v2(52.02,59.08) 51.7,59.41 U101.G8 ; R305.2 70.93,60.39 71.56,61.02 71.56,61.6 71.94,61.98 v1(71.94,62.42)
  L6_INT_2 w0.076: v2(52.02,59.08) 52.02,59.57 52.52,60.06 55.94,60.06 56.65,60.77 61.78,60.77 62.81,59.74 64.69,59.74 67.88,62.93 71.43,62.93 v1(71.94,62.42)
  L8_INT_3 w0.076: v1(71.94,62.42) 71.94,60.27 74.1,58.1 74.1,56.07 75.96,54.22 75.96,53.07 77.41,51.62 77.41,43.75 75.12,41.46 75.12,40.7 77.79,38.04 77.79,32.7 76.9,31.81 76.9,29.27 75.81,28.18 v1(75.81,27.29)
  BOTTOM w0.107: v1(75.81,27.29) 74.33,28.76 66.48,28.76 63.44,31.81 58.99,31.81 57.88,32.93 J1801.50 57.88,34.83 57.98,34.94 60.34,34.94 61.4,36 61.4,37.53 61.96,38.09 66.92,38.09 69.66,40.83 69.66,43.88 66.36,47.18 63.44,47.18 63.04,46.78 U1501.10